# Altium PCB fMAX_MB.PcbDoc (part 4 of 13) (continued)
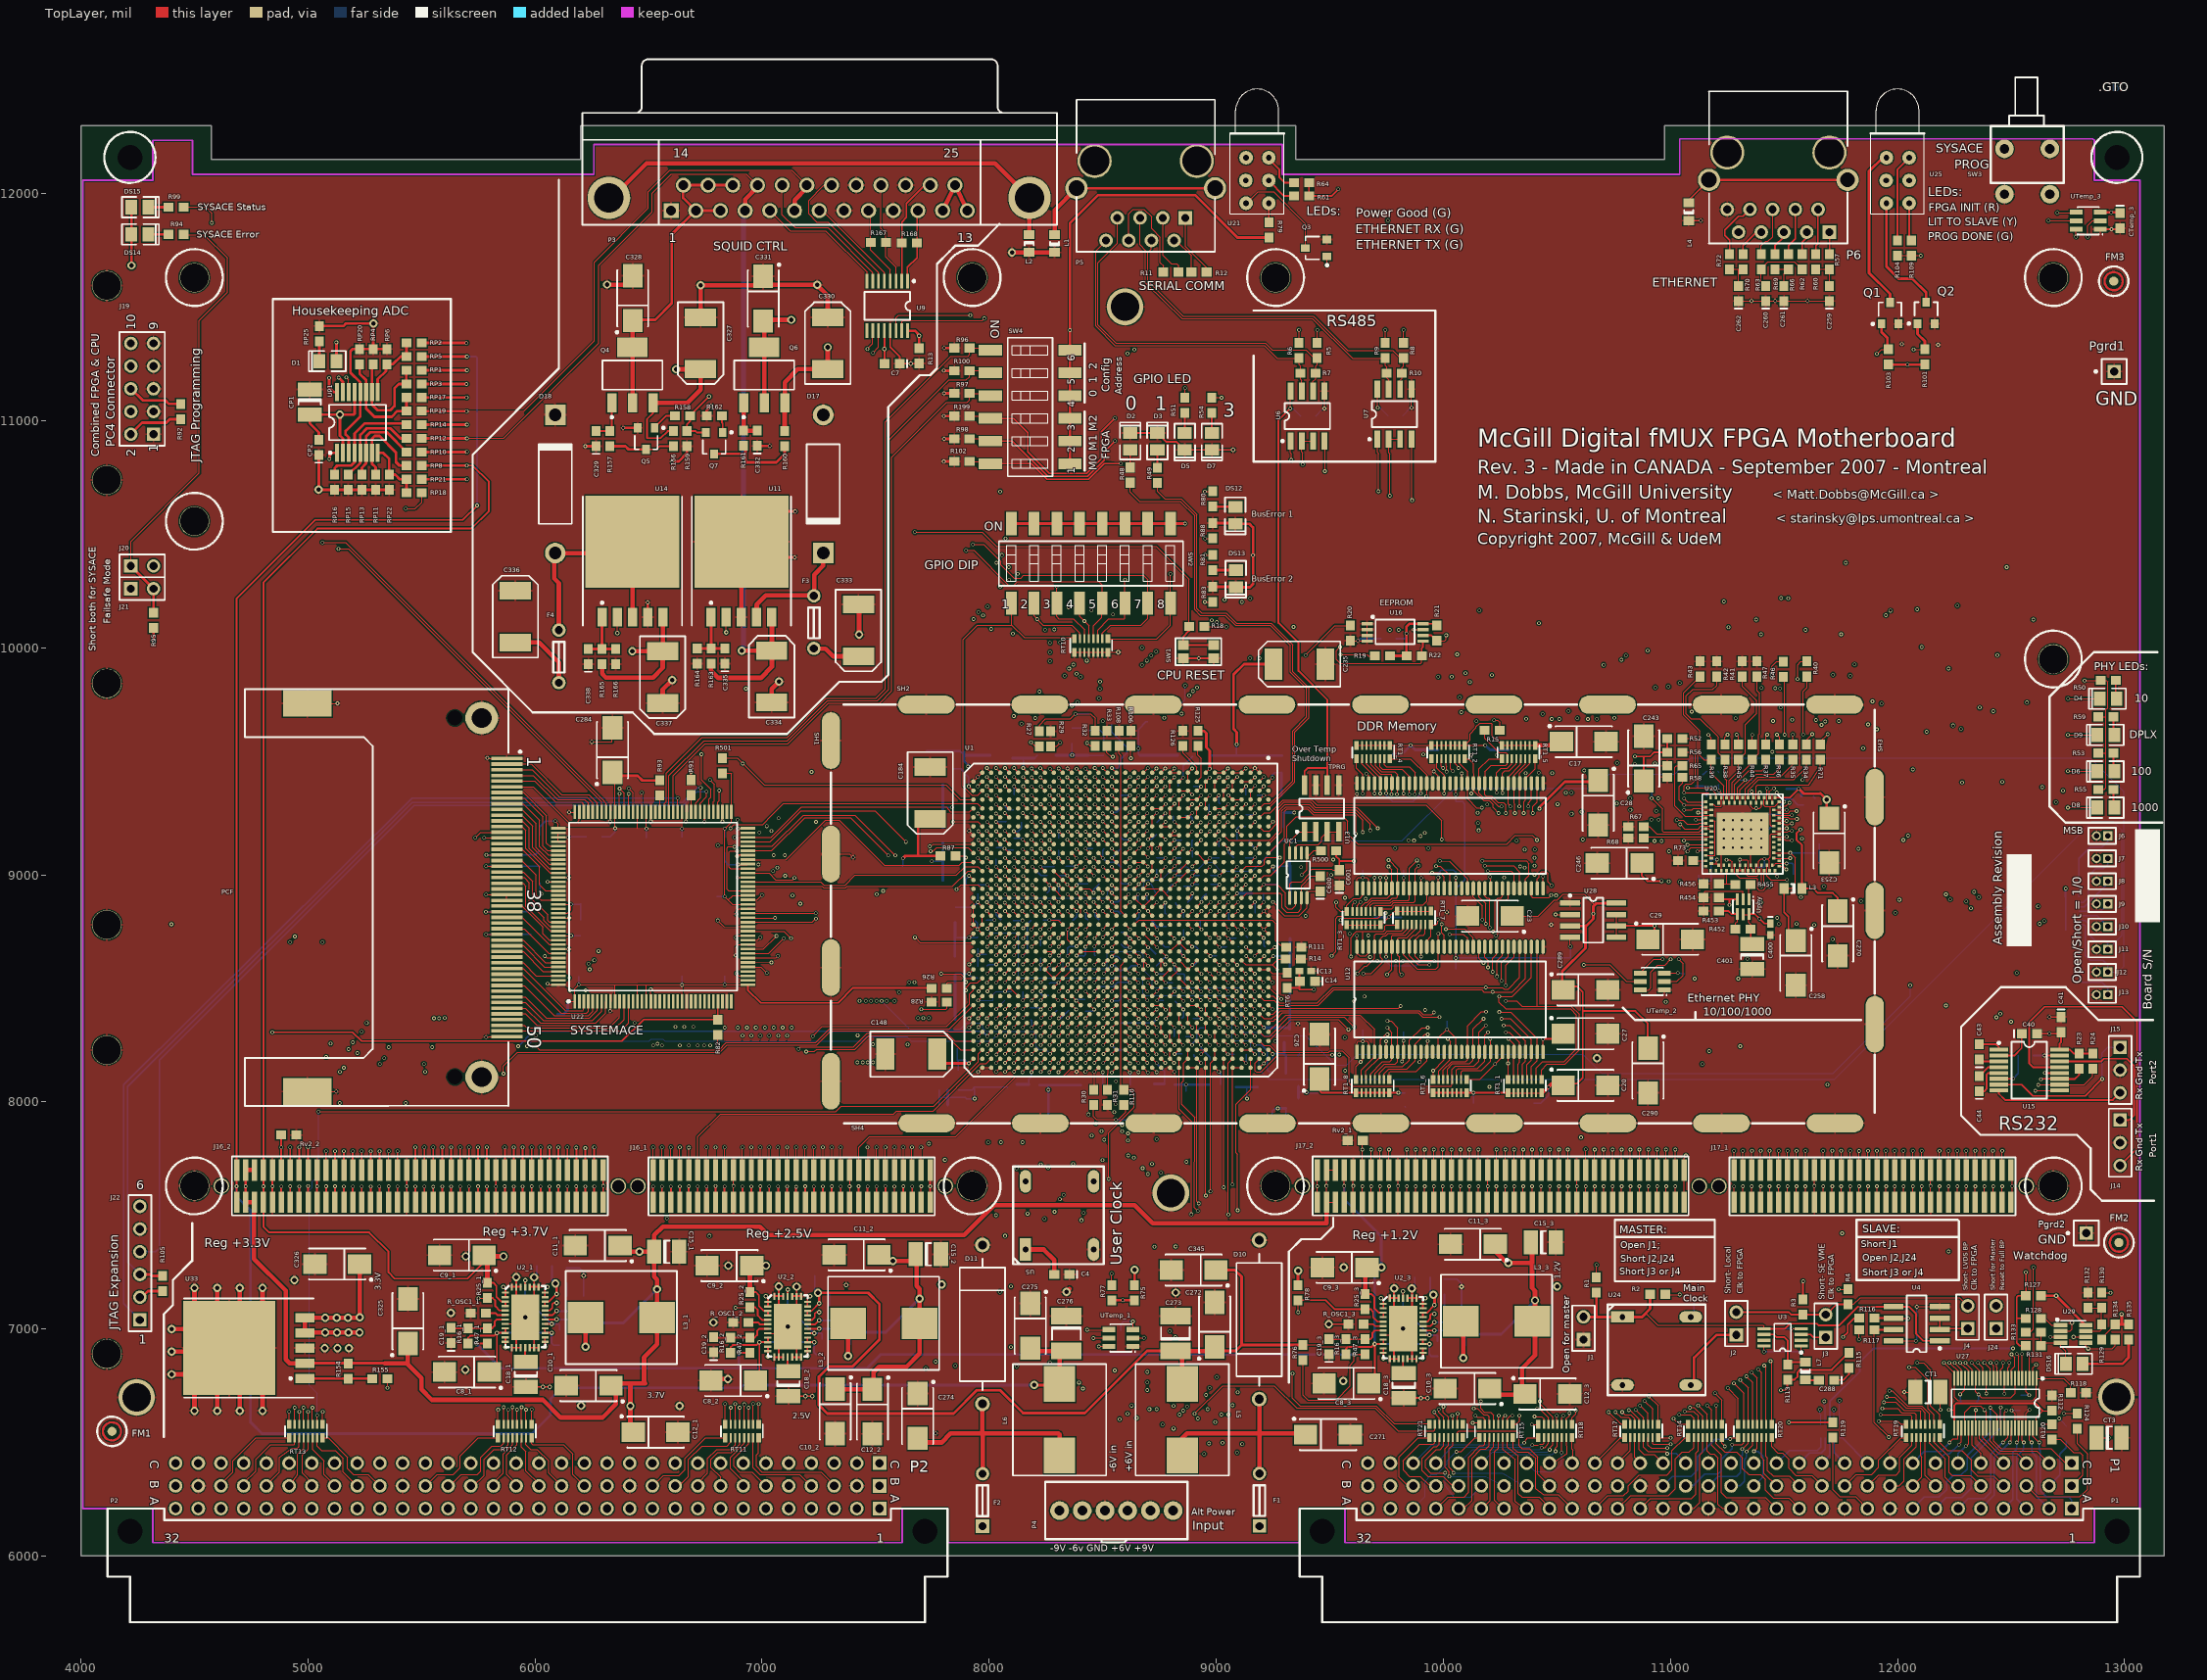
[diagram p0: TopLayer view]
## Nets (pads, with @x,y where several pads share a name; then routed paths per layer and width w, separated by ;. In a path a pad name is that pad's centre, name@x,y a point inside that pad or via, vN(x,y) a via of type N, cw(c..) or ccw(c..) an arc to the next point about the centre after c; other vN are vias at no path point) (continued)
  TopLayer w12: v2(5047,10697) 5049.05,10694.95 RP16.1@5117.88,10694.95 RP15.1@5177.88,10694.95 RP13.1@5237.88,10694.95 RP11.1@5297.88,10694.95 RP22.1@5357.88,10694.95 ; v2@5047.88,10697.88 CP2.1@5047.88,10848.42 ; RP25.2@5050,11416.46 5156.46,11416.46 5167.88,11427.88 v2(5287.88,11427.88) RP4.1@5287.88,11315.35 ; UP1.3@5179.5,10858.02 5179.5,10925.5 5166,10939 5166,10954 5230.68,11018.68 UP1.12@5230.68,11125.74 5230.68,11167.32 5187,11211 5187,11306 5196.35,11315.35 RP20.1@5227.88,11315.35 RP4.1@5287.88,11315.35 ; RP6.1@5347.88,11315.35 RP4.1@5287.88,11315.35 ; v1(6221.3,10887.3) C329.1@6269.13,10887.3 ; v1(6387.99,10968.01) Q5.2@6451.72,10968.01 ; v1@6496,10199.11 v1(6496.06,10199.06) U14.4@6496.06,10134.42 ; v1(6603,10820) 6633,10820 6669.13,10856.13 R159.1@6669.13,10887.3 ; R162.1@6755.66,11020.76 6755.66,11045.66 v1(6776,11066) ; C332.1@6979.06,10888.47 v1@7032.47,10888.47 ; U11.6@7089,10398 v1(7144,10398) ; U11.6@7090,10600 v1(7145,10600) v1@7149,10600 ; v1(7800,10820) R102.1@7846.54,10820 ; v1(7800,11020) R199.1@7846.54,11020 ; v1(7800,11220) R100.1@7846.54,11220 ; v1(7801,10920) R98.1@7846.54,10920 ; v1(7801,11120) R97.1@7846.54,11120 ; v1(7801,11320) R96.1@7846.54,11320 ; R83.1@8984.79,10268.08 DS13.2@9084.51,10268.08 ; R88.2@8984.79,10548.08 9081.51,10548.08 DS12.2@9084,10545.6 9145.4,10545.6 9162,10529 9162,10408 9162,10280 9148.6,10266.6 DS13.2@9086,10266.6 ; C12_3.2@10555,6710.93 10556.43,6710.93 C12_3.2@10601.93,6710.93 ; R118.1@12823,6714 12828.73,6719.73 R118.1@12830,6721 ; v4@12944,6719 v4(12963,6700)
  TopLayer w20: v2(4400,6800) U33.6@4500,6800 ; v2(4400,6900) U33.6@4500,6900 ; v2(4400,7000) U33.6@4500,7000 ; v2(4500,6640) U33.6@4500,6730 ; U33.6@4500,7120 v2(4500,7180) ; v2(4600,6640) U33.6@4600,6720 ; U33.6@4600,7110 v2(4600,7180) ; v2(4700,6640) U33.6@4700,6720 ; U33.6@4700,7110 v2(4700,7180) ; v2(4800,6640) U33.6@4800,6720 ; U33.6@4800,7110 v2(4800,7180) ; v2@6318.46,11597.54 C328.2@6429.13,11597.54 ; C337.1@6562.06,9755.76 6562.06,9816.06 v2(6603.53,9857.53) v2@6605,9859 ; C327.2@6729.13,11454.94 6729.13,11555 v2(6729,11596) 7005.11,11596.82 v2(7243,11597.54) v2@7244.46,11597.54 ; C8_2.2@6779.4,6778.93 v2(6849.17,6778.93) ; U11.3@6909.13,10134.42 U11.6@6909.13,10467.1 ; C334.2@7042.06,9758.76 7042.06,9817.94 v2(7075.06,9850.94) ; v2@7242.4,11596.6 7287.06,11551.94 ; C330.1@7289.13,11454.94 7289.13,11552.87 ; v2(7427.06,10057.94) C333.2@7427.06,10164.11 ; v2(8100.37,11740.63) L2.2@8176,11740.63 L1.1@8288,11740.63 ; v2(8340,7163) 8353.46,7176.46 ; U5.2@8456,7346 U5.2@8460,7350 ; C345.2@8820,7256.77 C345.2@8823.23,7260
  BottomLayer w5: v1(8031,8408) 8031,8408.95 8067.82,8445.77 C68.1@8067.91,8445.87 ; C5.2@9437.46,11021 9469.46,11053 v1(9476,11053) ; C6.2@9821.46,11023 9855.09,11056.62 v1@9859.38,11056.62 ; C244.1@11206.13,9457.46 C244.1@11213,9450.59 ; C252.1@11359.54,9483 C252.1@11361,9484.46
  BottomLayer w6: v1(6145,9165) 6148,9168 C277.1@6226.54,9168 ; C278.1@6834,9098.54 6834,9061 6850,9045 v1(6894,9045) ; C187.1@7936.41,8799 7948,8787.41 v1(7948,8761) ; C71.1@7950,8596.59 7951,8597.59 v1(7951,8645) ; C69.1@7950,8676.41 7950,8646 v1(7951,8645) ; C115.2@7950.59,8957 7951.59,8956 v1(7991,8956) ; C76.1@7990,8648.59 7954.59,8648.59 v1(7951,8645) ; C116.2@8029,9120.59 8058.41,9120.59 8064,9115 v1(8068,9115) 8069,9115 8074.59,9109.41 C51.2@8107,9109.41 ; v1(8030,8840) 8030,8824.41 C201.1@8054.41,8800 ; v1(8030,9233) 8073.54,9233 C155.1@8074.54,9232 ; C156.1@8108,9352.46 8110,9354.46 v1(8110,9390) ; v1(8149,8447) 8149,8484.41 C75.1@8149.59,8485 ; C67.1@8181,8363.41 8187,8357.41 v1(8187,8328) ; C178.2@8224.41,8578 8227,8580.59 v1(8227,8604) 8227,8634.41 C182.2@8226,8635.41 ; v1(8226,9036) 8285.41,9036 C194.1@8286.41,9037 ; C114.2@8236.59,8800 v1(8265,8800) C112.2@8314.41,8800 ; C70.1@8263,8519.59 8268.41,8525 v1(8305,8525) ; v1(8305,8955) 8305,8920.59 C193.1@8305.59,8920 ; C54.2@8305,9160.59 8306,9161.59 v1(8306,9192) ; v1(8306,8368) 8315.59,8368 C159.2@8350.59,8403 ; C46.2@8306.59,8997 8306.68,8996.91 v1(8343.72,8996.91) ; v1(8345,8643) 8345,8672.41 C175.2@8343,8674.41 8353.59,8685 v1(8385,8685) ; C207.1@8365,9645.46 8427.65,9645.46 C230.1@8438,9635.12 8489.88,9635.12 8505,9620 8505,9592.46 C205.1@8504,9591.46 ; C72.1@8423,8400.41 8457.41,8400.41 8462,8405 v1(8462,8407) ; v1(8425,8840) 8425,8809.41 C49.2@8434.41,8800 ; v1(8460,8920) 8460,8934.41 C195.1@8485.59,8960 ; v1(8464,8684) 8464,8646.59 C188.1@8468.59,8642 ; v1(8504,8565) 8505,8565 v1(8540,8600) 8554.41,8600 8577.5,8576.91 C117.2@8580,8574.41 ; C55.2@8507.59,9115 8500,9107.41 v1(8500,9075) 8520,9055 8558.46,9055 C151.1@8580,9033.46 ; v1(8540,8445) 8570,8445 8580,8455 C78.1@8580,8474.41 ; v1(8540,8880) 8566.54,8880 C212.1@8580,8893.46 ; v1(8540,9275) 8560.59,9275 C50.2@8580,9294.41 ; C190.1@8580,8745.59 8594.41,8745.59 v1(8620,8720) ; C48.2@8580,9165.59 8590.59,9155 v1(8620,9155) ; v1(8695,8915) 8695,8890.59 C158.2@8705.59,8880 ; v1(8700,9156) 8715.59,9156 C120.2@8738,9178.41 ; C149.1@8713.46,8800 8740,8773.46 ; C121.1@8736,8597.41 8778.59,8640 v1(8780,8640) ; C123.1@8737,9075.59 8737.59,9075 v1(8776,9075) ; v1(8740,8760) 8740,8773.46 ; C56.2@8780,8774.41 8779.05,8773.46 8740,8773.46 ; C199.1@8783.59,8919 8801,8955 ; 8800.59,8955 v1(8817,8956) ; C202.1@8810.41,9260 8810.41,9238.59 v1(8817,9232) ; v1(8815,8605) 8815,8579.59 C124.1@8830.59,8564 8855,8564 8860.59,8558.41 C168.2@8860.59,8525 ; C125.1@8819.59,8445 8819.59,8442.41 v1(8855,8407) 8855,8375.59 C126.1@8846.41,8367 ; C57.2@8822.41,8879 8822.41,8872.59 v1(8855,8840) C162.2@8855,8810.59 ; C161.2@8845.59,8682 8845.59,8652.52 v1(8856.24,8641.87) ; C180.2@8857,8950.41 8887.41,8950.41 v1(8895,8958) 8922.41,8958 C60.2@8923.41,8959 ; C128.1@8864.59,8288 v1(8895,8288) ; v1@8892,9114 v1(8893,9113) ; v1(8894,8683) 8910.59,8683 C164.2@8921,8672.59 ; C59.2@8895,9076 8895,9111 v1(8893,9113) ; C119.2@8897.59,9154 8893,9149.41 v1(8893,9113) ; C157.1@8899.46,9390 8931,9390 v1(8933,9388) ; C129.1@8900.87,8210 8900.87,8203.13 v1(8933,8171) ; C118.2@8967.41,9311 8967.41,9276.59 v1(8972,9272) ; C196.1@8975.59,8998 8976.59,8997 v1(9013,8997) ; v1(9012,9154) 9012,9125.59 C58.2@9013,9124.59 ; v1(9051,8210) C127.1@9080.41,8210 ; v1(9051,8604) v1@9054.59,8607.59 ; C63.2@9093.41,9154 9092,9155.41 v1(9092,9193) 9092,9203 9101.41,9212.41 C47.2@9131,9212.41 ; C163.2@9096.59,8684 C163.2@9098.59,8682 ; C64.2@9128.59,9074 9169,9074 v1(9171,9076) ; C80.1@9130,8730.59 C80.1@9138.59,8722 ; v1(9169,8250) 9200.01,8249.99 9225,8225 9225,8140 9233.59,8131.41 C83.1@9248,8131.41 ; C122.1@9180.59,9351 9209,9351 v1(9210,9350) ; v1(9210,8958) 9264.41,8958 C65.2@9268,8954.41 ; C99.1@9357.59,8202.12 C99.1@9366.47,8211 ; CRT1_8.1@9831.54,7980 CRT1_8.1@9834,7977.54 ; C241.1@11431.46,9200 C241.1@11446.87,9215.41 ; C2.1@11493.94,6996.35 11498.86,7001.27 v1(11533,7001.27) ; C251.1@11627.59,9346 C251.1@11638.59,9335 ; C3.1@12083.94,7056.35 12085.12,7057.53 v1(12085.12,7097.88) ; v1(12276,6712) 12276,6682.54 CT4.2@12280.54,6678 ; CT2.2@12541.21,6708 v1(12580,6708)
  BottomLayer w8: v2@5994,7226 5995.5,7227.5 6008.54,7240.54 C16_1.1@6008.54,7276 ; C21_1.1@6139,7268.46 6194.54,7268.46 6214,7249 v3(6214,7235) C22_1.1@6214,7145.46 ; C117.2@8581,8580.41 8606.98,8580.41 8626.57,8600 v1(8660,8600) ; v1(9624.46,10030.54) 9626.54,10030.54 9636,10040 C42.1@9725.54,10040 ; v2@9859.83,7176.93 9861.33,7178.43 9874.36,7191.46 C16_3.1@9874.36,7226.93 ; C21_3.1@10004.83,7219.39 10060.36,7219.39 10079.83,7199.93 v3(10079.83,7185.93) C22_3.1@10079.83,7096.39 ; C242.1@11144.13,9441.59 C242.1@11159,9456.46 ; C45.2@12598.46,8204 v1@12647.02,8203.98
  BottomLayer w12: v1(9091,8918) C61.2@9157.41,8918
  other v1: 7765,6540 4844,7628 7385.67,7628 5125,8045 9895,8175 9360,8345 10475,8780 10015,8835 11275,9120 11315,9120 11355,9120 11400,9120 11235,9160 11275,9160 11315,9160 11355,9160 11400,9160 11235,9200 11275,9200 11315,9200 11355,9200 11400,9200 6510,9235 11235,9240 11275,9240 11315,9240 11355,9240 11400,9240 9620,9356 7950,9430 5130,9755 9161,10408 7033,10888 9860,11056 12179,11334 12018.88,11337.12
  other v2: 6637,6661 6203,6662 9558.83,6770.93 5693,6820 5130,6915 5180,6915 5074,6916 9822.83,7001.93 7113.17,7009.93 6786.17,7028.93 5957,7051 5630,7070 8821,7160 4940,7215 9560.83,7270.93 6851.17,7278.93 5695,7320 10676.77,8192 6317,11599
  other v3: 7370.17,7193.93
  other v4: 4245,6699 8800,7599 8599,11501
GPIO_DIP1_5: RT10.16 SW2.1 U1.AN3 | length 1393.5
  TopLayer w5: U1.AN3@7969.13,9370.87 U1.AN3@7969.76,9370.87 7969.76,9370.76 7950,9351 7925,9351 7886,9390 7886,10037 7948,10099 8097,10099 ; SW2.1@8098,10195.8 8098,10100 8154,10044 8264,10044 8375,10044 RT10.16@8375.08,10039.06
GPIO_DIP2_5: RT10.15 SW2.2 U1.AN2 | length 1366.8
  TopLayer w5: v1(7950,9390) U1.AN2@7969.76,9410.24 ; SW2.2@8198,10195.8 8198,10139 8237,10100 8364,10100 8399.68,10064.32 RT10.15@8399.68,10039.06
  MidLayer1 w5: v1(7931,10126) v1(8211,10126)
  MidLayer5 w5: v1(7931,10126) 7931,9409 v1(7950,9390)
GPIO_DIP3_5: RT10.14 SW2.3 U1.AK13 | length 1875.5
  TopLayer w5: v1(8070,8995) U1.AK13@8087.83,8977.17 ; v1(8298,10269) 8298,10137 8307,10128 8370,10128 8419.37,10078.63 RT10.14@8419.37,10039.06
  MidLayer1 w5: v1(8048,10269) v1(8298,10269)
  MidLayer5 w5: v1(8048,10269) 8048,9017 v1(8070,8995)
GPIO_DIP4_5: RT10.13 SW2.4 U1.AL13 | length 1723
  TopLayer w5: v1(8030,8996) 8048.5,8977.5 U1.AL13@8048.5,8977.17 ; SW2.4@8398,10195.8 8398,10138 8439.06,10096.94 RT10.13@8439.06,10039.06
  MidLayer1 w5: v1(8009,10083) 8209,10083 8243,10117 v1(8419,10117)
  MidLayer5 w5: v1@8009,10086 8009,9017 v1(8030,8996)
GPIO_DIP5_5: RT10.12 SW2.5 U1.AL6 | length 2192
  TopLayer w5: v1(7898.62,10429.13) 7932.09,10429.13 8084.65,10276.57 8109.25,10276.57 8124.02,10291.34 8482.28,10291.34 8498,10275.62 SW2.5@8498,10195.8 8496,10193.8 8496,10134 8458.74,10096.74 RT10.12@8458.74,10039.06 ; v1(8030,9270) U1.AL6@8048.5,9252.76
  MidLayer3 w5: v1(7898.62,10429.13) 7898.62,10349.05 8041.18,10206.49 8041.18,9510.67 8010.83,9480.32 8010.83,9289.37 8030,9270.2 v1(8030,9270)
GPIO_DIP6_5: RT10.11 SW2.6 U1.AK6 | length 1922.7
  TopLayer w5: v1(8069,9272) 8087.87,9253.13 U1.AK6@8087.87,9252.76 ; RT10.11@8478.43,10039.06 8478.43,10077.43 8527,10126 8594,10126 8598,10130 SW2.6@8598,10195.8 v1(8598,10300)
  MidLayer1 w5: v1(8088,10300) v1(8598,10300)
  MidLayer5 w5: v1(8069,9272) 8088,9291 v1(8088,10300)
GPIO_DIP7_5: RT10.10 SW2.7 U1.AL8 | length 2620.3
  TopLayer w5: v1(7928.19,10454.77) 7976.34,10454.77 8051.18,10379.92 8051.18,10365.16 8109.25,10307.09 8140.75,10307.09 8151.57,10317.91 8679.13,10317.91 8698,10299.05 8698,10130 8668,10100 8534,10100 8498.11,10064.11 RT10.10@8498.11,10039.06 ; v1(8031,9192) 8048,9175 U1.AL8@8049,9175
  MidLayer3 w5: v1(7928.19,10454.77) 7928.19,10333.62 8051.18,10210.63 8051.18,9212.6 8031,9192.42 v1(8031,9192)
GPIO_DIP8_5: RT10.9 SW2.8 U1.AK8 | length 2380.5
  TopLayer w5: v1(8069,9193) 8087.87,9174.13 U1.AK8@8087.87,9174.02 ; RT10.9@8522.72,10039.06 8738.06,10039.06 8798,10099 SW2.8@8798,10195.8 v1(8798,10325)
  MidLayer1 w5: v1(8126,10325) v1(8798,10325)
  MidLayer5 w5: v1(8069,9193) 8088,9212 8088,9276.86 8126,9314.86 v1(8126,10325)
GPIO_LED_0_4: R48.1 U1.B5 | length 2117.4
  TopLayer w5: R48.1@8621,10726.54 8621,10685 8661,10645 8841.86,10645 8905,10581.86 8905,10168 8930,10143 9038.86,10143 9083.86,10098 9238.25,10098 9326.77,10009.48 9326.77,9891.37 9398.46,9819.68 9398.46,9695.71 9336.46,9633.7 9336.46,9413.6 9236.86,9314 9212,9314 9190.24,9292.24 U1.B5@9190.24,9292.13
GPIO_LED_1_4: R49.1 U1.A5 | length 1981
  TopLayer w5: R49.1@8741,10725.54 8741,10687 8773,10655 8846,10655 8915,10586 8915,10173 8935,10153 9043,10153 9088,10108 9242.39,10108 9337.6,10012.8 9337.6,9894.69 9408.46,9823.82 9408.46,9690.94 9346.46,9628.94 9346.46,9409.45 9273.01,9336 9229.61,9292.61 U1.A5@9229.61,9292.13 U1.A5@9230.13,9292.13
GPIO_LED_2_4: R51.1 U1.E12 | length 2378.5
  TopLayer w5: R51.1@8860.79,11101.78 8862,11102.99 v1(8862,11143) ; U1.E12@9072.13,9016.54 9072.13,9017.13 v1(9091,9036)
  MidLayer5 w5: v1(8862,11143) 9033,11143 9047,11129 9047,11106.09 9038,11097.09 9038,10862 9070,10830 9070,9057 v1(9091,9036)
GPIO_LED_3_4: R54.1 U1.E13 | length 2242
  TopLayer w5: R54.1@8980.79,11101.78 9022.22,11101.78 v1(9023,11101) ; U1.E13@9072.17,8977.17 v1(9092,8997)
  MidLayer5 w5: v1(9023,11101) 9027.56,11096.44 9027.56,10858.3 9060,10825.86 9060,9499.96 9033,9472.96 9033,9096 9053,9076 9053,9008 9064,8997 v1(9092,8997)
IIC_EEPROM_SCL_3: R21.1 U1.G17 U16.6 | length 2321
  TopLayer w5: U1.G17@8993.39,8819.68 8994.68,8819.68 v1(9015,8840) ; R21.1@9971,10030.54 10005.93,10030.54 10012.8,10037.4 v1(10012.8,10055.12)
  TopLayer w8: U16.6@9910.38,10054.5 9947.03,10054.5 R21.1@9971,10030.54
  MidLayer1 w5: v1(9340.55,10091.53) 9342.66,10091.53 9357.13,10106 9711.95,10106 9773.95,10044 10001.68,10044 v1(10012.8,10055.12)
  MidLayer5 w5: v1@9015,8840.79 9037.4,8863.19 9037.4,8886.81 9048.23,8897.64 9107.28,8897.64 9192.91,8983.27 9192.91,9289.99 9271.65,9368.73 9271.65,10072.83 9290.35,10091.53 v1(9340.55,10091.53)
IIC_EEPROM_SDA_3: R22.1 U1.G16 U16.5 | length 2315.7
  TopLayer w5: U1.G16@8993.39,8859.06 8994.06,8859.06 v1(9015,8880) ; v1(9545,10003) 9529,9987 9529,9948 9547,9930 9900,9930 9904.46,9934.46 R22.1@9904.46,9964
  TopLayer w8: R22.1@9904.46,9964 9904.46,9997.46 9910.38,10003.38 U16.5@9910.38,10028.91
  MidLayer3 w5: v1(9015,8880) 9017,8880 9036,8899 9098.05,8899 9181.46,8815.59 9319.79,8815.59 9403.2,8899 v1(9567,8899)
  MidLayer5 w5: v1(9545,10003) 9567,9981 v1(9567,8899)
INT5V5N: C275.2 C276.2 C330.2 J16_2.83 J16_2.84 J17_2.83 J17_2.84 L6.2 Q6.3 R160.2 RP5.1 | length 13846
  TopLayer w5: J17_2.83@9445.83,7558.27 J17_2.84@9445.83,7700
  TopLayer w8: J16_2.83@4685.83,7558.27 4685.83,10217.83 5031,10563 5682,10563 v1(5745,10626)
  TopLayer w12: RP5.1@5501.35,11281.88 v1(5699.88,11281.88) ; v2(8198.82,6752.95) 8311.02,6752.95 L6.2@8312.99,6754.92
  TopLayer w20: R160.2@7099.06,10954.4 Q6.3@7099.06,11078.1 ; Q6.3@7099.68,11078.72 7099.68,11169.55 7156.72,11226.59 C330.2@7289.13,11226.59 v2(7289.13,11322.87) ; C275.2@8190,6903.23 C276.2@8340,6903.23 8310,6873.23 L6.2@8310,6757.48
  Power3 w12: v1(5699.88,11281.88) 7248.13,11281.88 v2(7289.13,11322.87)
  Gnd2 w12: v2@8200.79,6752.95 8284.45,6752.95 8397.64,6866.14 8840.55,6866.14 9445,7470.59 v1(9445,7628)
  BottomLayer w8: v1(5699.88,11281.88) 5740.12,11281.88 5745,11277 v1(5745,10626)
  BottomLayer w12: v1@4685.04,7628.94 4685.04,7583.66 4747.05,7521.65 4747.05,6589.57 4797.24,6539.37 5986.22,6539.37 6067.91,6621.06 6067.91,6691.93 6117.13,6741.14 6907.48,6741.14 6919.29,6752.95 v2(8198.82,6752.95)
  other v1: 4685.83,7628
INT5V5P: C8_1.1 C8_2.1 C8_3.1 C9_1.1 C9_2.1 C9_3.1 C16_1.2 C16_2.2 C16_3.2 C272.1 C273.1 C327.1 C345.1 J16_2.77 J16_2.78 J17_2.77 J17_2.78 L5.2 Q4.3 R16_1.2 R16_2.2 R16_3.2 R25_1.2 R25_2.2 R25_3.2 R42_1.2 R42_2.2 R42_3.2 R76.2 R156.2 RP8.2 U2_1.3 U2_1.4 U2_1.9 U2_1.10 U2_1.22 U2_1.23 U2_1.28 U2_1.29 U2_2.3 U2_2.4 U2_2.9 U2_2.10 U2_2.22 U2_2.23 U2_2.28 U2_2.29 U2_3.3 U2_3.4 U2_3.9 U2_3.10 U2_3.22 U2_3.23 U2_3.28 U2_3.29 | length 16573.2
  TopLayer w5: v3@6070,6985 v3(6073,6983) ; v3@7226.17,6943.93 v3(7229.17,6941.93) ; R76.2@9382,6929.46 9450.54,6929.46 9459.07,6920.93 9580.83,6920.93 9585,6920.93 ; J17_2.77@9563.94,7558.27 v1(9563.94,7630) J17_2.78@9563.94,7700
  TopLayer w8: v1(5699.12,10801.88) 5725.12,10801.88 5797,10730 5797,10602 5720,10525 5042,10525 4803.94,10286.94 J16_2.78@4803.94,7700 v1(4803.94,7628) J16_2.77@4803.94,7558.27 4803.94,7451.06 4830,7425 5270,7425 5355,7340 5355,7249 5382,7222 5703,7222 5776.77,7295.77 C9_1.1@5776.77,7320 ; R16_1.2@5705,6936.54 5705,6960 5715,6970 5819.33,6970 v3(5832.16,6982.84) ; C8_1.1@5776.77,6820 5798.43,6820 5820,6820 5832.16,6832.16 v3(5832.16,6982.84) ; R25_1.2@5790,7203.46 5816.54,7203.46 5830,7190 5830,7141.26 5850.63,7120.63 U2_1.3@5869.39,7120.63 5870,7120.63 5870,7100.94 U2_1.4@5870,7100 ; U2_1.9@5870,7002.52 5870,6982.84 U2_1.10@5869.39,6982.83 v3(5832.16,6982.84) ; U2_1.23@6043.23,7002.52 6043.23,6982.84 U2_1.22@6044.58,6982.83 v3(6073,6983) ; U2_1.28@6043.23,7100.94 6043.23,7120.63 U2_1.29@6044.58,7120.63 6061.63,7120.63 v3(6095,7154) ; Q4.3@6519.68,11078.72 6519.68,11032.55 6493.06,11005.94 6493.06,10923.94 6494.06,10922.94 6553.06,10922.94 6584.06,10953.94 6609.13,10953.94 R156.2@6610.06,10953.94 ; R16_2.2@6861.17,6895.46 6861.17,6918.93 6871.17,6928.93 6975.5,6928.93 v3(6988.34,6941.76) ; C8_2.1@6932.94,6778.93 6971.43,6778.93 6976.17,6778.93 6988.34,6791.09 v3(6988.34,6941.76) ; R25_2.2@6946.17,7162.39 6972.71,7162.39 6986.17,7148.93 6986.17,7100.19 7006.8,7079.56 U2_2.3@7025.39,7079.63 7026.17,7079.56 7026.17,7059.94 U2_2.4@7026.17,7058.93 ; U2_2.9@7026.17,6961.45 7026.17,6941.83 7026.17,6941.76 U2_2.10@7025.39,6941.83 v3(6988.34,6941.76) ; U2_2.23@7199.4,6961.45 7199.4,6941.83 7199.4,6941.76 U2_2.22@7200.58,6941.83 v3(7229.17,6941.93) ; U2_2.28@7199.4,7059.87 7199.4,7059.94 7199.4,7079.56 U2_2.29@7200.58,7079.63 7217.8,7079.56 v3(7251.17,7112.93) ; R16_3.2@9570.83,6887.46 9570.83,6910.93 9580.83,6920.93 ; 9585,6920.93 9685.16,6920.93 v3(9697.99,6933.76) ; C8_3.1@9642.6,6770.93 9671.43,6770.93 9685.83,6770.93 9697.99,6783.09 v3(9697.99,6933.76) ; R25_3.2@9655.83,7154.39 9682.36,7154.39 9695.83,7140.93 9695.83,7092.19 9716.46,7071.56 U2_3.3@9735.39,7071.63 9735.83,7071.56 9735.83,7051.94 U2_3.4@9735.83,7050.93 ; U2_3.9@9735.83,6953.45 9735.83,6933.83 9735.83,6933.76 U2_3.10@9735.39,6933.83 v3(9697.99,6933.76) ; U2_3.23@9909.06,6953.45 9909.06,6933.83 9909.06,6933.76 U2_3.22@9910.58,6933.83 v3(9938.83,6933.93) ; U2_3.28@9909.06,7051.87 9909.06,7051.94 9909.06,7071.56 U2_3.29@9910.58,7071.63 9927.46,7071.56 v3(9960.83,7104.93)
  TopLayer w12: RP8.2@5501.35,10801.88 v1(5699.12,10801.88) ; v2(6090,7200) 6095,7195 v3(6095,7154) ; v3(7251.17,7112.93) 7251.17,7153.93 v2(7246.17,7158.93) 7467.07,7158.93 7517,7109 7517,6954 7398,6835 7295,6835 7250,6790 7250,6665 7287,6628 7843,6628 7945,6730 8049,6730 8149,6630 8422,6630 8695.23,6903.23 C273.1@8820,6903.23 ; C272.1@8970,6903.23 8993,6903.23 9085.23,6903.23 9111.46,6929.46 ; C345.1@8976.77,7260 C345.1@8998.43,7260 9082,7260 9111.46,7230.54 9111.46,6929.46 ; R76.2@9382,6929.46 9111.46,6929.46 ; v2(9955.83,7150.93) 9960.83,7145.93 v3(9960.83,7104.93)
  TopLayer w20: R25_1.2@5790,7203.46 5790,7306.77 5776.77,7320 v2(5861,7320) ; Q4.3@6519.68,11078.72 6670.84,11078.72 6729.13,11137 6729.13,11225.41 6728.54,11226 v2(6621,11226) ; R25_2.2@6946.17,7162.39 6946.17,7265.7 6943.77,7268.1 6932.94,7278.93 C9_2.1@6954.6,7278.93 v2(7017.17,7278.93) ; L5.2@8850,6757.48 8850,6873.23 C273.1@8820,6903.23 C272.1@8970,6903.23 ; R25_3.2@9655.83,7154.39 9655.83,7257.7 9653.43,7260.1 9642.6,7270.93 C9_3.1@9664.25,7270.93 v2(9726.83,7270.93)
  Power3 w12: v1(5699.12,10801.88) 6007.88,10801.88 6432,11226 v2(6621,11226)
  BottomLayer w8: v3(5832.16,6982.84) v3(6073,6983) 6073,6938 6082.46,6928.54 R42_1.2@6108,6928.54 ; C16_1.2@6075.46,7276 6075.46,7214.54 v2(6090,7200) ; v3(6988.34,6941.76) v3(7229.17,6941.93) 7229.17,6896.93 7238.64,6887.46 R42_2.2@7264.17,6887.46 ; C16_2.2@7231.64,7234.93 7231.64,7173.46 v2(7246.17,7158.93) ; v3(9697.99,6933.76) v3(9938.83,6933.93) 9938.83,6888.93 9948.29,6879.46 R42_3.2@9973.83,6879.46 ; C16_3.2@9941.29,7226.93 9941.29,7165.46 v2(9955.83,7150.93)
  BottomLayer w12: v1(9563.94,7630) 9563.94,7569.92 9726.83,7407.03 v2(9726.83,7270.93) 9725.65,7270.93 9697.14,7242.42 9697.14,6933.76 v3(9697.99,6933.76)
M1_AUX0: J16_1.41 U1.AG30 | length 2396.9
  TopLayer w5: v1(8188,8290) 8205.87,8307.87 U1.AG30@8205.98,8307.87
  TopLayer w8: J16_1.41@6952.6,7558.27 v1(6952.6,7627.4)
  Power1 w5: v1(6933.07,8326.77) 6933.07,8259.84 6944.88,8248.03 7141.73,8248.03 7151.57,8257.87 7427.17,8257.87 7480.31,8204.72 7830.71,8204.72 7925.2,8110.24 8165.35,8110.24 8169.29,8114.17 8169.29,8271.65 8187.64,8290 v1(8188,8290)
  MidLayer5 w5: v1(6933.07,8326.77) 6933.07,8286.42 6972,8247.49 6972,7841.09 6933,7802.09 6933,7699 6952.6,7679.4 v1(6952.6,7627.4)
  MidLayer6 w5: v1@6933.07,8322.83 v1(6933.07,8326.77)
M1_AUX1: J16_1.42 U1.AG31 | length 1918.1
  TopLayer w5: J16_1.42@6952.6,7700 v1(6952.6,7799.4) ; v1(8186,8249) 8205.5,8268.5 U1.AG31@8205.98,8268.5
  MidLayer5 w5: v1(6952.6,7799.4) 6952.6,7807.05 6982,7836.46 6982,8262.09 v1(6952.76,8291.34)
  Gnd3 w5: v1(6952.76,8291.34) 6976.38,8267.72 7472.44,8267.72 7480.31,8275.59 7889.76,8275.59 7937.01,8228.35 8029.82,8228.35 8033.76,8232.28 8169.28,8232.28 v1(8186,8249)
M1_AUX2: J16_2.21 U1.T31 | length 3649.4
  TopLayer w5: U1.T31@8639.06,8268.5 8639.06,8267.94 v1(8659,8248)
  TopLayer w8: J16_2.21@5906.3,7558.27 v1(5906.3,7627.3)
  MidLayer1 w5: v1(5906.3,7627.3) 5906.3,7699.7 5925,7718.4 5925,7854.57 6002.43,7932 7805.4,7932 7879.4,7858 8249.72,7858 8370,7737 v1(8370,7727)
  MidLayer5 w5: v1(8370,7727) 8532,7727 8675,7871 8675,8232 v1(8659,8248)
M1_AUX3: J16_2.22 U1.R32 | length 3593.9
  TopLayer w5: U1.R32@8678.43,8229.13 8678.43,8228.57 v1(8699,8208)
  TopLayer w8: J16_2.22@5906.3,7700 v1(5906.3,7799.7)
  MidLayer1 w5: v1(5906.3,7799.7) 5906.3,7850.02 5998.28,7942 7809.55,7942 7883.55,7868 8253.86,7868 8413.86,7708 v1(8676,7708)
  MidLayer2 w5: v1(8676,7708) 8676,8185 v1(8699,8208)
M1_AUX4: J16_2.23 U1.R33 | length 3699.6
  TopLayer w5: U1.R33@8678.43,8189.76 8679.24,8189.76 v1(8697,8172)
  TopLayer w8: J16_2.23@5866.93,7558.27 v1(5866.93,7627.93)
  MidLayer1 w5: v1(5866.93,7627.93) 5866.93,7699.93 5886,7719 5886,7843.86 5994.14,7952 7813.69,7952 7887.69,7878 8258,7878 8418,7718 8622,7718 8718,7814 8718,8151 v1(8697,8172)
M1_CLOCK1: J16_1.43 U1.AH32 | length 2190.6
  TopLayer w5: v1(8148,8210) 8166.61,8228.61 U1.AH32@8166.61,8229.13
  TopLayer w8: J16_1.43@6913.23,7558.27 v1(6913.23,7627.23)
  Power1 w5: v1(6893.7,8326.77) 6936.69,8369.76 7647.59,8369.76 7678.77,8338.58 7775.59,8338.58 7881.89,8232.28 8125.72,8232.28 v1(8148,8210)
  MidLayer5 w5: v1(6893.7,8326.77) 6893.7,8287.4 6952,8229.1 6952,7863.03 6893,7804.03 6893,7701 6913.23,7680.77 v1(6913.23,7627.23)
M1_CLOCK2: J16_1.44 U1.AH33 | length 1944.9
  TopLayer w5: J16_1.44@6913.23,7700 v1(6913.23,7799.77) ; v1(8148,8171) 8166.61,8189.61 U1.AH33@8166.61,8189.76
  MidLayer5 w5: v1(6913.23,7799.77) 6913.23,7809.34 6962,7858.11 6962,8242.73 v1(6913.39,8291.34)
  Gnd3 w5: v1(6913.39,8291.34) 6948.82,8255.91 7452.76,8255.91 7480.31,8228.35 7922.87,8228.35 7962.24,8188.98 8130.02,8188.98 v1@8149.61,8169.39
M1_CLOCK3: J16_2.24 U1.T28 | length 3717.3
  TopLayer w5: U1.T28@8639.06,8386.61 8639.06,8385.94 v1(8659,8366)
  TopLayer w8: J16_2.24@5866.93,7700 v1(5866.93,7799.93)
  MidLayer1 w5: v1(5866.93,7799.93) 5866.93,7838.93 5990,7962 7817.83,7962 7891.83,7888 8263.86,7888 8413,7738 8423,7728 8610,7728 v1(8637,7755)
  MidLayer3 w5: v1(8637,7755) 8637,8344 v1(8659,8366)
M1_COMB1_DATA0: J16_2.49 U1.W30 | length 3803.5
  TopLayer w5: v1(8501,8288) U1.W30@8520.94,8307.87 U1.W30@8520.94,8307.87
  TopLayer w8: J16_2.49@5355.12,7558.27 v1(5355.12,7627.88)
  MidLayer1 w5: v1(5355.12,7627.88) 5355.12,7699.12 5375,7719 5375,8107 5577,8309 8480,8309 v1(8501,8288)
M1_COMB1_DATA1: J16_2.50 U1.V30 | length 3879.6
  TopLayer w5: J16_2.50@5355.12,7700 v1(5355.12,7783) ; v1(8541,8288) U1.V30@8560.32,8307.87
  MidLayer1 w5: v1(5355.12,7783) v1(5355.12,8240.88) ; v1(5548,8241) 5779,8241 5808,8270 6018.03,8270 6029.03,8281 6793.8,8281 6804.8,8270 6805,8270 6862.4,8212.6 6862.6,8212.6 6891.57,8183.63 7376.18,8183.63 7404.16,8211.61 7502.1,8211.61 7530.35,8183.36 7848.72,8183.36 7913.39,8248.03 7933.07,8267.72 8523.62,8267.72 8541,8285.09 v1(8541,8288)
  MidLayer2 w5: v1(5355.12,8240.88) v1@5547.88,8240.88
M1_COMB1_DATA2: J16_2.51 U1.Y32 | length 3976.2
  TopLayer w5: v1(8463,8211) 8481.13,8229.13 U1.Y32@8481.57,8229.13
  TopLayer w8: J16_2.51@5315,7558.27 v1(5315,7627)
  MidLayer1 w5: v1(5315,7627) 5315,7699 5336,7720 v1(5336,8192)
  MidLayer2 w5: v1(5336,8192) 5339.02,8188.98 5836.61,8188.98 5989.59,8036 7804.7,8036 7870.42,8101.72 7870.42,8165.69 ; 7867.72,8163 7893.7,8188.98 8444.88,8188.98 8463,8207.09 v1(8463,8211)
M1_COMB1_DATA3: J16_2.52 U1.Y33 | length 3684
  TopLayer w5: v1(8464,8172) 8481.57,8189.57 U1.Y33@8481.57,8189.76
  TopLayer w8: J16_2.52@5315.75,7700 v1(5315.75,7783)
  MidLayer1 w5: v1(5315.75,7783) v1(5316,8167) ; v1(5511,8167) 5548,8204 5837,8204 5887,8154 8445,8153 v1(8464,8172)
  MidLayer2 w5: v1(5316,8167) v1(5511,8167)
M1_COMB1_DATA4: J16_2.53 U1.W27 | length 3980.1
  TopLayer w5: v1(8503,8408) U1.W27@8520.94,8425.94
  TopLayer w8: J16_2.53@5276.38,7558.27 v1(5276.38,7627.62)
  MidLayer1 w5: v1(5276.38,7627.62) 5276.38,7699.62 5297,7720.24 5297,8221 5409,8333 6315,8333 6370,8388 8483,8388 v1(8503,8408)
M1_COMB1_DATA5: J16_2.54 U1.V27 | length 3908.9
  TopLayer w5: v1(8540,8405) 8540,8405.67 U1.V27@8560.32,8425.98
  TopLayer w8: J16_2.54@5276.38,7700 v1(5276.38,7783.01)
  MidLayer1 w5: v1(5276.38,7783.01) 5276.38,8220.38 5404,8348 6308,8348 6388,8428 8517,8428 v1(8540,8405)
M1_COMB1_DATA6: J16_2.55 U1.Y29 | length 4036.7
  TopLayer w5: v1(8463,8328) 8481.57,8346.57 U1.Y29@8481.57,8347.24
  TopLayer w8: J16_2.55@5237.01,7558.27 v1(5237.01,7626.99)
  MidLayer1 w5: v1(5237.01,7626.99) 5237.01,7699.99 5259,7723 v1(5259,8347) ; v1(6438,8347) 8445,8347 v1(8463,8328)
  MidLayer2 w5: v1(5259,8347) v1(6438,8347)
M1_COMB1_DATA7: J16_2.56 U1.W29 | length 3909
  TopLayer w5: v1(8501,8327) 8520.94,8346.94 U1.W29@8520.94,8347.24
  TopLayer w8: J16_2.56@5237.01,7700 v1(5237.01,7783)
  MidLayer1 w5: v1(5237.01,7783) v1(5237,8309)
  MidLayer2 w5: v1(5237,8309) 8483,8309 v1(8501,8327)
M1_COMB1_DATA8: J16_2.57 U1.Y31 | length 4091.5
  TopLayer w5: v1(8463,8250) 8481.5,8268.5 U1.Y31@8481.57,8268.5
  TopLayer w8: J16_2.57@5197.64,7558.27 v1(5197.64,7627.64)
  MidLayer1 w5: v1(5197.64,7627.64) 5197.64,7699.36 5218,7719.72 v1(5218,8215)
  MidLayer2 w5: v1(5218,8215) 5825.79,8215 5825.79,8213.95 5993.73,8046 7734.98,8046 7919.98,8231 8444,8231 v1(8463,8250)
M1_COMB1_DATA9: J16_2.58 U1.W31 | length 4074.9
  TopLayer w5: v1(8502,8250) 8520.5,8268.5 U1.W31@8520.94,8268.5
  TopLayer w8: J16_2.58@5197.64,7700 v1(5197.64,7783.01)
  MidLayer1 w5: v1(5197.64,7783.01) v1(5198,8262)
  MidLayer2 w5: v1(5198,8262) 5793.12,8262 5999.12,8056 7730.21,8056 7944.21,8270 8482,8270
  MidLayer2 w6: 8482,8270 v1(8502,8250)